# Altium PCB nufsr-p00.pcbdoc (continued)
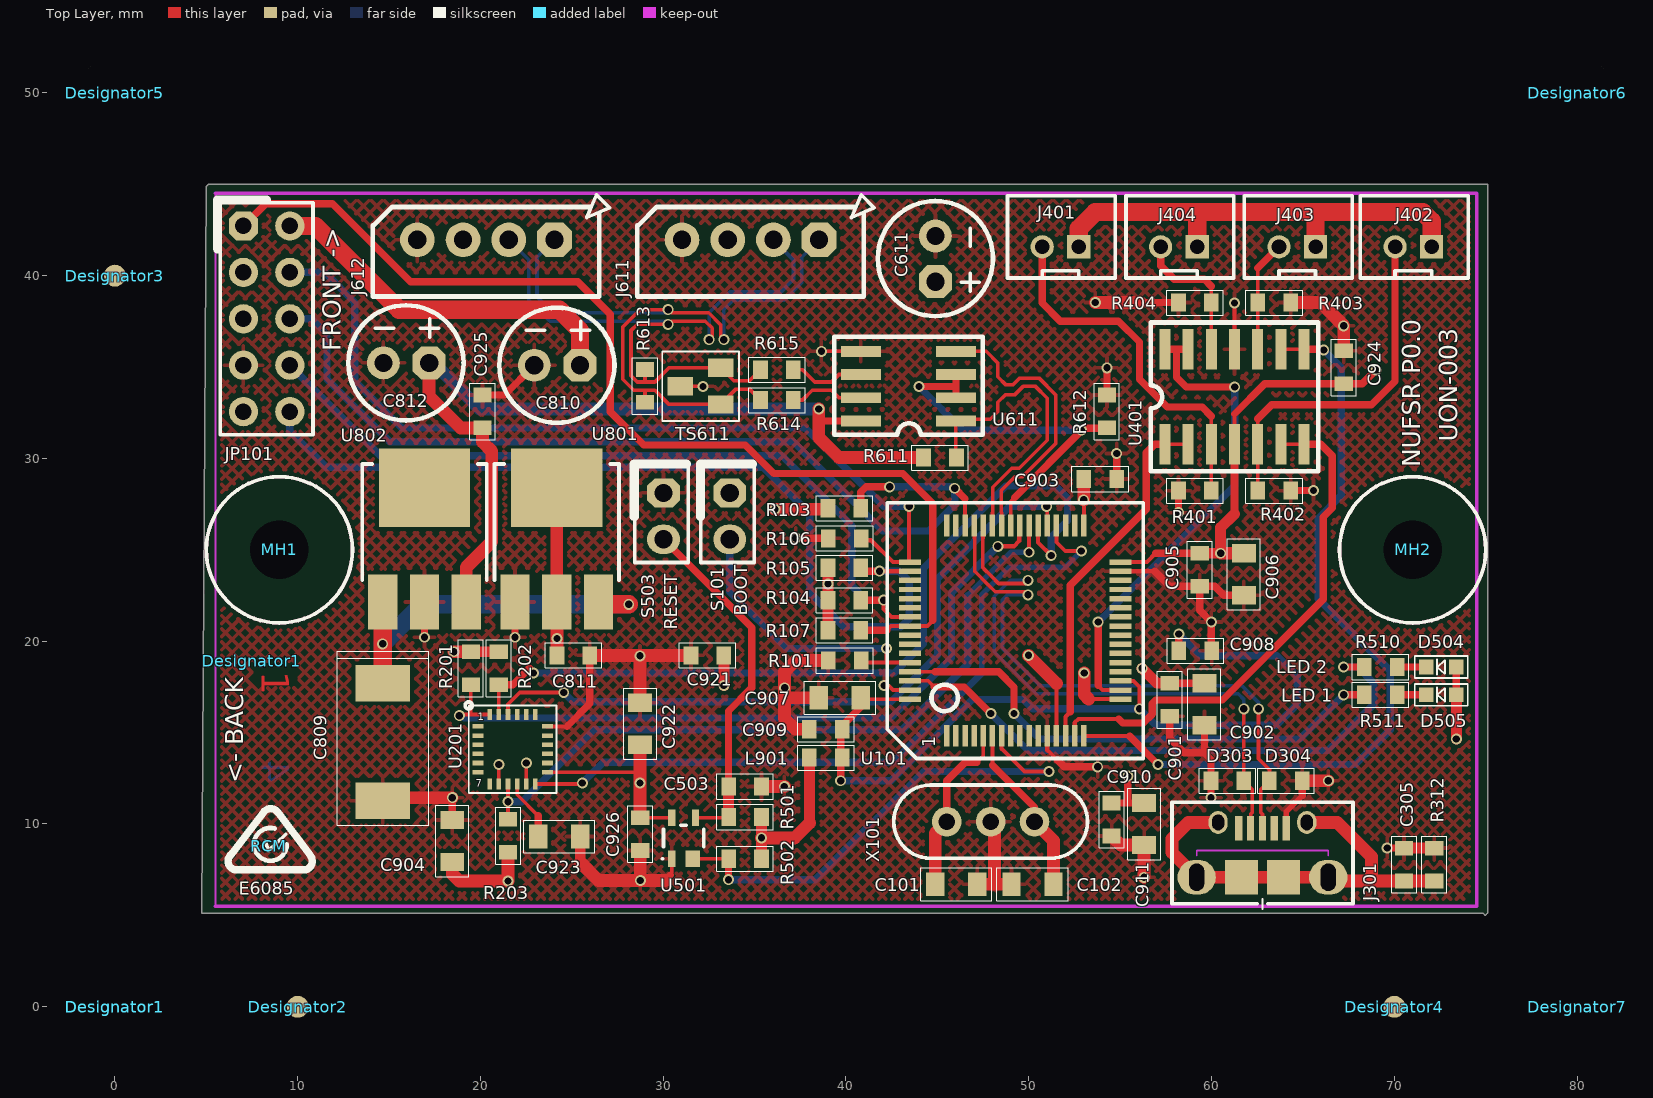
[diagram p0: Top Layer view]
## Footprints (in the part's own frame and the unit in brackets; to place one, negate y for a bottom-side part, rotate by r counter-clockwise, add the part's x,y. Pads: shape width x height; smd on the part's side, far side on the other; paste and mask are expansions set on the pad) (continued)
  silkscreen extent -1.25,-10.75 12.75,3.25, body extent -0.15,-9.62 11.62,2.15, height 1.55
QFN-24 [mm]
  rect 0.6x0.25 smd: 1(0,0) 2(0,-0.5) 3(0,-1) 4(0,-1.5) 5(0,-2) 6(0,-2.5) 13(3.8,-2.5) 14(3.8,-2) 15(3.8,-1.5) 16(3.8,-1) 17(3.8,-0.5) 18(3.8,0)
  rect 0.25x0.6 smd: 7(0.65,-3.15) 8(1.15,-3.15) 9(1.65,-3.15) 10(2.15,-3.15) 11(2.65,-3.15) 12(3.15,-3.15) 19(3.15,0.65) 20(2.65,0.65) 21(2.15,0.65) 22(1.65,0.65) 23(1.15,0.65) 24(0.65,0.65)
  silkscreen extent -0.69,-3.65 4.3,1.34, body extent -0.15,-3.32 4,0.82, height 0.9
RB-D6.3-P2.5 [mm]
  oct 1.8x1.8 hole 1: 1(0,0)
  round 1.8 hole 1: 2(-2.5,0)
  silkscreen extent -4.41,-3.15 1.89,3.15, body extent -3.72,-2.52 1.28,2.47, height 11
SC70-4 [mm] "SC70, 4-Leads"
  rect 0.9x0.4 smd: 1(-1.125,0.65) 3(1.125,-0.65) 4(1.125,0.65)
  rect 0.9x0.8 smd: 2(-1.125,-0.5)
  silkscreen extent -1.17,-1.1 0.7,1.2, body extent -1.15,-1.1 1.15,1.1, height 1.1
SO-8(LB) [mm]
  rect 2.2x0.6 smd: 1(0,0) 2(0,-1.27) 3(0,-2.54) 4(0,-3.81) 5(5.2,-3.81) 6(5.2,-2.54) 7(5.2,-1.27) 8(5.2,0)
  silkscreen extent -1.47,-4.6 6.65,0.76, body extent -0.58,-4.35 5.41,0.55, height 1.5
SO-14(LB) [mm]
  rect 2.2x0.6 smd: 1(-0.01,0.005) 2(-0.01,-1.265) 3(-0.01,-2.535) 4(-0.01,-3.805) 5(-0.01,-5.075) 6(-0.01,-6.345) 7(-0.01,-7.615) 8(5.19,-7.615) 9(5.19,-6.345) 10(5.19,-5.075) 11(5.19,-3.805) 12(5.19,-2.535) 13(5.19,-1.265) 14(5.19,0.005)
  silkscreen extent -1.47,-8.38 6.65,0.79, body extent -0.33,-8.13 5.66,0.56, height 1.7
SOT-23-3(LB) [mm]
  rect 1x1.4 smd: 1(-1,-1.1) 2(1,-1.1) 3(0,1.1)
  silkscreen extent -1.9,-2.1 1.9,2.1, body extent -1.42,-1.45 1.48,1.35, height 1.3
USB-ZX62D [mm]
  rect 0.4x1.35 smd: 1(-1.3,4.125) 2(-0.65,4.125) 3(0,4.125) 4(0.65,4.125) 5(1.3,4.125)
  oval 2.1x1.9 hole 0.825 slot 1.5 at 90 deg: 6(-3.6,1.45) 6(3.6,1.45)
  oval 1.05x1.25 hole 0.65 slot 0.85 at 90 deg: 6(-2.425,4.45) 6(2.425,4.45)
  rect 1.8x1.9 smd: 6(-1.15,1.45) 6(1.15,1.45)
  Keep-Out Layer lines w0.1: -3.6,2.65 -3.6,2.921 3.6,2.921 3.6,2.65
  silkscreen extent -4.95,-0.28 4.95,5.55, body extent -4.38,-1.32 4.27,4.57, height 2.85

## Part data
C101 C102: library part CC-10PF(LB), "NPO Low K, 50VDC Ceramic Disc", EMRP=CC-10PF
C305: library part CC-4700PF(LB), "4700pF NPO, 50VDC Ceramic Disc", EMRP=CC-4700PF
C503 C811 C901 C903 C905 C908 C909 C910 C921 C925 C926: library part CC-100NF(LB), "Monolithic Ceramic", EMRP=CC-100NF
C611: library part CE-100UF50V(LB), "20% 50V Aluminium Electrolytic", EMRP=CE-100UF
C809: library part CT-47UF35V(LB), "20% 35V Resin-dipped Tantalum", EMRP=CT-47UF
C810 C812: library part CE-10UF50V(LB), "20% 50V Aluminium Electrolytic", EMRP=CE-10UF
C902 C904 C906 C911: library part CC-1000NF(LB), "1uF Ceramic", EMRP=CC-1000NF
C907: library part CC-4700NF(LB), "4.7uF Ceramic", EMRP=CC-4700NF
C922: library part CC-2200NF(LB), "2.2uF Ceramic", EMRP=CC-2200NF
C923: library part CP-470NF(LB), "63V 10% Metallised Polyester", EMRP=CP-470NF
C924: library part CC-10NF(LB), "Monolithic Ceramic", EMRP=CC-10NF
D303 D304: "500V Pulse-Guard", EMRP=SD-TRANSORB
D504 D505: library part LED-RED(LB), "LED"
J301: library part ZX62D-B-5P8
J401 J402 J403 J404: library part CON2(LB), EMRP="HM-3412 + HM-3402"
J611 J612: library part HEADER-1X4, "1x4 Header", EMRP=JH-1X4, PART="MOLEX 2203-5045"
JP101: library part HDR2X5(LB), "Connector"
L901: library part FERRITE-BEAD(LB), EMRP=IN-BEAD
MH1 MH2: library part HW-FIXING-ISOLATED(LB), "M3/M4 Fixing Hole", EMRP=NA
R101 R103 R104 R105 R106 R107 R401 R402 R403 R404 R501 R502 R611 R612: library part RM-10K(LB), "0.5W 1% Metal Film Resistor", EMRP=RM-10K
R201 R202 R203: library part RM-2K(LB), "0.5W 1% Metal Film Resistor", EMRP=RM-2K
R312: library part RM-1M(LB), "0.5W 1% Metal Film Resistor", EMRP=RM-1M
R510 R511: library part RM-470R(LB), "0.5W 1% Metal Film Resistor", EMRP=RM-470R
R613: library part RM-120R(LB), "0.5W 1% Metal Film Resistor", EMRP=RM-120R
R614 R615: library part RP-10R(LB), "10R Pulse-proof", EMRP=RC-0R68-1W
RCM: "N-Tick", EMRP=NA
S101 S503: library part SW-PB-SPST(LB), "PCB Push-button Switch", Text Field2=SP-0600
TS611: library part CDSOT23-T12(LB), "600V Bi-directional Transient Suppressor", EMRP=SD-TRANSORB
U101: "32-bit Microcontroller", Manufacturer_Part_Number=stm32f74xzxt, C="Copyright (C) 2016 Accelerated Designs. All rights reserved", Copyright="Copyright (C) 2016 Accelerated Designs. All rights reserved", RefDes=RefDes, Type=Type, Vendor=STMicroelectronics
U201: library part ICM-20869, "Motion Tracking"
U401: library part LM324(LB), "Quad Low-noise JFET Op-amp", EMRP=SI-3-LM324
U501: library part ADM6713, "Microprocessor Supervisory Circuit"
U611: library part THVD1550(LB), "RS485 Transceiver 18kV 50mbps", EMRP=SI-1-MAX485
U801: library part LD1086(LB), "3-terminal Positive Voltage Regulator", Text Field1=347-6870, Text Field2=ZV-1615, Text Field3=512-KA317
U802: library part 7805(LB), "3-terminal 1Amp Fixed Voltage Regulator", EMRP=SI-4-7805
X101: library part XTAL-24MHZ(LB), "24MHz Parallel-cut Crystal - HC49", EMRP=ZT-20MHZ

## Free pads (board coordinates)
  round 0.7 hole 0.8 unplated: BO1(4.5,27.86) BO1(75.5,22.534) BO2(4.5,26.443) BO2(75.5,27.586) BO3(4.5,25.193) BO3(75.5,26.336) BO4(4.5,23.943) BO4(75.5,25.086) BO5(4.5,22.693) BO5(75.5,23.836)

## Via types
v1: diameter 0.6, hole 0.4, Top Layer to Bottom Layer, tented both sides, 45 vias
v2: diameter 0.6, hole 0.4, Top Layer to Bottom Layer, 39 vias

## Nets (pads, with @x,y where several pads share a name; then routed paths per layer and width w, separated by ;. In a path a pad name is that pad's centre, name@x,y a point inside that pad or via, vN(x,y) a via of type N, cw(c..) or ccw(c..) an arc to the next point about the centre after c; other vN are vias at no path point)
0V: C101.2 C102.2 C305.1 C503.2 C611.2 C809.2 C810.2 C811.2 C812.2 C901.2 C902.2 C903.2 C904.2 C905.2 C906.2 C907.2 C908.2 C909.2 C910.2 C911.2 C921.2 C922.2 C923.2 C924.2 C925.2 C926.2 D303.2 D304.2 J301.5 J611.4 J612.4 JP101.7 R101.1 R106.1 R312.1 R401.2 R402.2 R403.2 R404.2 R612.2 S503.1 TS611.3 U101.12 U101.31 U101.63 U201.11 U201.18 U401.11 U501.1 U611.5 U801.1 U802.2 X101.3 | length 109.7
  Top Layer w0.2: U201.11 v1(22.509,13.338) ; U201.18 24.736,15.338 ; 30.4,7.212 30.461,7.273 U501.1 ; TS611.3 32.163,33.956 v1(32.178,33.941) ; v1(38.655,35.861) U611.5 ; v1(42.084,17.573) 42.332,17.573 42.576,17.33 U101.63 ; U401.11 v1(61.256,38.504)
  Top Layer w0.225: U101.12 51.013,14.054 51.575,13.492 ; U101.31 56.884,23.83
  Top Layer w0.3: J301.5 64.085,10.669 64.966,11.55
  Top Layer w0.4: C809.2 C809.2@14.817,11.439 ; v2(16.938,20.218) U802.2 ; C904.2 v2(18.462,11.439) ; C925.2 21.318,33.47 C810.2 ; v2(21.891,20.218) U801.1 ; 24.736,15.338 25.988,16.59 C811.2 ; v1(28.749,6.905) v1@28.774,6.905 ; 30.093,6.905 30.4,7.212 ; C503.2@35.375,11.883 C503.2 ; v2(37.258,25.637) 38.845,25.637 39.036,25.828 R106.1 ; 51.575,13.492 51.939,13.128 v2(53.768,13.128) ; R612.2 v1(54.276,34.956) ; C903.2 54.809,28.879 v2(54.809,30.273) ; 56.105,38.528 R404.2 ; 56.884,23.83 57.702,23.012 C905.2 ; C901.2 57.705,14.689 58.504,13.89 59.61,13.89 ; v2(58.191,27.03) R401.2 ; C902.2 59.61,13.89 ; v2(59.969,11.439) D303.2 59.969,13.531 59.61,13.89 ; C908.2 59.991,19.5 v2(59.991,21.053) 59.356,21.688 C905.2 ; C906.2 60.669,22.512 60.169,23.012 C905.2 ; R402.2 64.336,28.246 v2(65.579,28.246) ; 64.966,11.55 D304.2 ; v2(69.605,8.683) C305.1
  Top Layer w0.6: 25.461,7.907 C923.2 ; C305.1 R312.1
  Top Layer w0.7: C809.2@14.817,11.439 v2(18.462,11.439) ; 25.461,7.907 26.463,6.905 v1(28.749,6.905) C926.2 ; C811.2 v1@28.755,19.224 ; C922.2 v1(28.734,19.203) v1@28.755,19.224 ; v1@28.774,6.905 30.093,6.905 ; C921.2 v1@28.755,19.224 ; C503.2 v1(36.63,12.051) ; C909.2 37.238,15.18 36.643,15.775 36.643,16.913 ; C907.2 36.643,16.913 ; R101.1 37.258,18.945 36.643,18.329 v1(36.643,17.446) 36.643,16.913 ; C101.2 48.117,6.702 ; X101.3 48.117,9.927 48.117,6.702 ; C102.2 48.117,6.702 ; v1(53.641,38.528) 56.105,38.528 ; C910.2 55.03,8.847 C911.2 v1(56.308,7.085) ; R403.2 65.96,38.528 v1(67.23,37.258) C924.2 ; D304.2 v1(66.385,12.366)
3V3: C810.1 C811.1 C901.1 C902.1 C903.1 C904.1 C905.1 C906.1 C910.1 C911.1 C921.1 C922.1 C924.1 C926.1 D504.A D505.A J401.1 J402.1 J403.1 J404.1 JP101.2 L901.2 R103.2 R104.2 R105.2 R107.2 R201.2 R202.2 R203.2 R501.2 R502.2 S101.1 U101.13 U101.17 U101.32 U101.33 U201.8 U201.13 U401.4 U501.4 U801.2 U801.TAB | length 139.4
  Top Layer w0.2: U201.8 v1(21.009,13.255) ; U201.13 23.66,12.839 25.823,12.839 25.824,12.838 28.698,12.838 28.734,12.874 ; C926.1 U501.4 ; U401.4 61.256,32.427
  Top Layer w0.225: U101.13 51.513,17.694 ; U101.33 v2@53.013,27.955 ; 53.285,16.83 U101.17 ; U101.32 56.461,24.33 56.943,24.812
  Top Layer w0.4: C910.1 55.419,11.147 ; v1(55.419,12.62) 55.419,11.147 ; C911.1 55.419,11.147 ; 56.943,24.812 C905.1 ; C901.1 C902.1 ; 61.256,32.427 62.912,34.083 C924.1 68.246,34.083 v1(69.008,34.845) ; D505.A D504.A
  Top Layer w0.45: 61.256,26.966 U401.4
  Top Layer w0.6: R201.2 R202.2 ; v2(33.313,17.573) 33.313,19.216 C921.1 ; R502.2 v1(35.375,9.242) R501.2 ; 37.998,10.058 L901.2 ; v2(39.011,23.136) v2@39.014,23.139 ; R107.2 R104.2 v2@39.014,23.139 ; R105.2 v2@39.014,23.139 ; v2(56.206,18.513) 57.019,17.7 C901.1 ; C905.1 v2(60.499,24.812) 60.499,26.209 61.256,26.966 ; v1(73.389,14.652) D505.A
  Top Layer w0.7: C904.1 18.462,7.264 18.843,6.883 v2(21.509,6.883) R203.2 R203.2 ; v2(18.551,19.424) R201.2 ; U801.TAB@23.644,28.393 24.177,27.86 U801.2 24.188,22.134 v2(24.188,20.151) C811.1 ; 28.724,13.484 28.724,14.338 C922.1 28.734,12.874 v1(28.734,12.239) C926.1@28.734,10.364 ; v1(35.375,9.242) 37.182,9.242 37.998,10.058 ; v2(36.115,27.225) 38.963,27.225 R103.2 ; v2(49.983,19.224) 51.513,17.694 ; v2(53.006,27.733) v2@53.006,27.948 ; C903.1 v2@53.006,27.948 ; v2@53.013,27.955 v2@53.006,27.948 ; v2(53.031,18.259) 53.031,17.084 53.285,16.83 ; v2(60.499,24.812) C906.1
  Top Layer w1: JP101.2 10.969,42.719 15.549,38.139 24.312,38.139 25.447,37.004 C810.1 ; U801.TAB@24.177,27.86 U801.TAB ; J401.1 52.736,42.576 53.641,43.481 59.356,43.481 ; J404.1 59.213,43.338 59.356,43.481 ; J403.1 65.69,43.37 65.579,43.481 ; J402.1 72.04,42.989 71.548,43.481 65.579,43.481 ; 59.356,43.481 65.579,43.481
+5V: C812.1 C925.1 R611.1 U611.8 U802.3 | length 48.1
  Top Layer w0.4: 38.528,32.051 U611.8
  Top Layer w0.7: C812.1 17.192,33.399 18.921,31.67 C925.1 20.113,30.898 20.621,30.39 20.621,25.447 19.224,24.05 U802.3 ; v2(38.514,32.709) 38.514,31.151 39.616,30.049 R611.1
  Bottom Layer w0.7: C812.1@17.192,35.099 17.573,35.099 19.963,32.709 v2(38.514,32.709)
BUF_N: R614.1 U611.7 | length 4.1
  Top Layer w0.2: R614.1 37.623,33.194 38.158,33.729 39.205,33.729 39.613,33.321 U611.7
BUF_P: R615.1 U611.6 | length 4.1
  Top Layer w0.2: R615.1 37.623,34.845 38.285,34.183 39.205,34.183 39.613,34.591 U611.6
DXL_DIR: R612.1 U101.41 U611.2 U611.3 | length 21.5
  Top Layer w0.2: U101.41 49.013,27.649 49.224,27.86
  Top Layer w0.4: v1(43.989,33.941) 46.013,33.941 ; U611.2 46.013,33.941 ; U611.3 46.013,33.941 ; 49.224,27.86 v1@52.879,31.515 ; R612.1@54.276,31.658 52.994,31.658 v1(52.879,31.543) ; v1@52.879,31.515 v1(52.879,31.543) ; v1@52.879,31.515 52.907,31.543 v1(52.879,31.543)
  Bottom Layer w0.4: v1(43.989,33.941) 46.387,31.543 v1(52.879,31.543)
DXL_N: R611.2 U101.43 U611.1 | length 16.8
  Top Layer w0.2: R611.2@46.013,30.049 U611.1 46.113,32.151 47.899,32.151 48.307,32.559 48.307,33.067 48.716,33.476 49.224,33.476 49.689,33.941 50.37,33.941 51.013,33.298 51.013,30.998 49.472,29.457 49.064,29.457 48.036,28.429 48.036,27.053 48.013,27.03 U101.43
DXL_P: U101.42 U611.4 | length 15.8
  Top Layer w0.2: U611.4 47.672,35.861 48.307,35.226 48.307,34.464 48.748,34.023 49.129,34.023 49.5,34.395 50.559,34.395 51.467,33.486 51.467,30.81 49.66,29.003 49.252,29.003 48.49,28.241 48.49,27.053 48.513,27.03 U101.42
DXL_PWR: C611.1 C809.1 J611.3 J612.3 U801.3 U802.1 | length 20.5
  Top Layer w1: C809.1 v1(14.652,19.859) U802.1 ; U801.3 26.59,22.018 v1(28.114,22.018)
  Bottom Layer w1: v1(14.652,19.859) 16.811,22.018 v1(28.114,22.018)
FSR_BUF1: U101.14 U401.1 U401.2 | length 19.8
  Top Layer w0.2: U401.1 U401.2
  Top Layer w0.225: U101.14 52.013,15.869 52.269,16.125
  Top Layer w0.4: 52.269,16.125 52.269,23.059 56.435,27.225 56.435,30.311 56.895,30.771 U401.1
FSR_BUF2: U101.15 U401.6 U401.7 | length 29.5
  Top Layer w0.2: U401.6 U401.7
  Top Layer w0.225: U101.15 52.513,15.541 52.716,15.744 54.916,15.744
  Top Layer w0.4: 54.916,15.744 55.134,15.527 56.268,15.527 56.754,16.013 56.754,16.597 56.943,16.786 60.601,16.786 66.104,22.289 66.104,26.792 66.595,27.284 66.595,30.146 65.97,30.771 U401.7 ; U401.6@63.796,29.968 U401.6
FSR_BUF3: U101.16 U401.8 U401.9 | length 43.9
  Top Layer w0.2: U401.9 U401.8
  Top Layer w0.225: U101.16 53.013,14.804 55.521,14.804
  Top Layer w0.4: 55.521,14.804 v2(57.07,13.255) ; U401.8 66.104,35.971 v2(66.138,35.937)
  Bottom Layer w0.4: v2(57.07,13.255) 67.865,13.255 69.77,15.16 69.77,18.379 65.833,22.316 65.833,26.717 67.103,27.987 67.103,34.972 v2(66.138,35.937)
FSR_BUF4: U101.18 U401.13 U401.14 | length 26.9
  Top Layer w0.225: 53.793,17.573 54.037,17.33 U101.18
  Top Layer w0.4: 53.793,17.573 v2(53.793,21.053) ; U401.14 58.081,35.971 ; U401.13 58.081,35.971 ; v2(61.261,33.905) 58.618,33.905 58.086,34.437 58.086,35.966 58.081,35.971
  Bottom Layer w0.4: v2(53.793,21.053) 61.261,28.52 v2(61.261,33.905)
JTAG_RST: JP101.1 R107.1 U101.56 | length 58.7
  Top Layer w0.225: 42.231,20.596 42.465,20.83 U101.56 44.452,20.83 44.751,21.129
  Top Layer w0.4: JP101.1 8.251,43.938 11.909,43.938 16.176,39.671 25.32,39.671 27.098,37.893 27.098,32.559 28.927,30.73 34.489,30.73 36.039,29.181 43.1,29.181 44.751,27.53 44.751,21.129 ; R107.1 42.231,20.596
JTAG_TCK: JP101.4 R106.2 U101.49 | length 48
  Top Layer w0.225: R106.2@40.836,25.523 41.373,25.523 42.566,24.33 U101.49@43.456,24.33 ; v2(43.456,27.377) U101.49@43.456,24.33 ; U101.49 U101.49@43.456,24.33
  Top Layer w0.4: R106.2@40.836,25.523 R106.2
  Bottom Layer w0.4: JP101.4 11.477,40.179 13.128,38.528 13.128,34.233 15.691,31.67 37.766,31.67 42.059,27.377 v2(43.456,27.377)
JTAG_TDI: JP101.10 R105.1 U101.50 | length 48.9
  Top Layer w0.225: v2@41.601,23.83 v2(41.83,23.83) U101.50
  Top Layer w0.4: R105.1 40.814,23.83 v2@41.601,23.83
  Bottom Layer w0.4: JP101.10 9.572,31.5 11.561,29.511 35.48,29.511 38.02,26.971 38.02,22.653 39.885,20.788 43.013,20.788 43.456,21.231 43.456,23.288 42.914,23.83 v2(41.83,23.83)
JTAG_TDO: JP101.8 R104.1 U101.55 | length 43.6
  Top Layer w0.225: v2(42.061,22.247) 42.061,21.764 42.495,21.33 U101.55
  Top Layer w0.4: R104.1@40.814,22.018 R104.1 40.814,22.424 40.992,22.247 v2(42.061,22.247)
  Bottom Layer w0.4: JP101.8 14.525,30.146 36.496,30.146 40.311,26.331 40.311,23.029 41.093,22.247 v2(42.061,22.247)
JTAG_TMS: JP101.6 R103.1 U101.46 | length 52.6
  Top Layer w0.225: U101.46 46.513,27.8
  Top Layer w0.4: R103.1 40.814,28.165 41.093,28.444 v2(42.389,28.444) ; v2(45.945,28.368) 46.513,27.8
  Bottom Layer w0.4: JP101.6 10.747,37.639 11.604,36.782 11.604,34.337 15.033,30.908 37.131,30.908 42.008,26.031 44.514,26.031 45.945,27.462 v2(45.945,28.368) 45.869,28.444 v2(42.389,28.444)
LED_1: R511.2 U101.61 | length 28.2
  Top Layer w0.2: U101.61 44.873,18.33
  Top Layer w0.4: 44.873,18.33 48.349,18.33 49.196,17.483 v1(49.196,16.049) ; v1(67.23,17.065) R511.2
  Bottom Layer w0.4: v1(49.196,16.049) 50.593,14.652 64.817,14.652 v1(67.23,17.065)
LED_2: R510.2 U101.62 | length 32.3
  Top Layer w0.2: U101.62 44.494,17.83 44.824,17.5
  Top Layer w0.4: 44.824,17.5 46.475,17.5 v1(47.926,16.049) ; v1(67.23,18.589) R510.2
  Bottom Layer w0.4: v1(47.926,16.049) 49.958,14.017 66.341,14.017 68.881,16.557 68.881,17.7 67.992,18.589 v1(67.23,18.589)
MCU_R\E\S\E\T\: R502.1 U101.7 U501.2 | length 26.9
  Top Layer w0.2: U501.2 R502.1
  Top Layer w0.225: U101.7 48.513,14.119 49.758,12.874 v2(51.101,12.874)
  Top Layer w0.4: v2(33.575,6.956) R502.1
  Bottom Layer w0.4: v2(33.575,6.956) 38.325,6.956 44.243,12.874 v2(51.101,12.874)
MPU_INT: U101.36 U201.12 | length 40.2
  Top Layer w0.2: U201.12 25.523,12.188 v1(25.574,12.239) ; U101.36 51.513,25.416 51.99,24.939 v1(52.879,24.939)
  Bottom Layer w0.3: 47.418,18.233 47.418,22.527 48.941,24.05 50.944,24.05 50.959,24.035 51.975,24.035 v1(52.879,24.939)
  Bottom Layer w0.4: v1(25.574,12.239) 26.717,13.382 42.567,13.382 47.418,18.233
MPU_MISO: R203.1 U101.39 U201.9 | length 39.7
  Top Layer w0.2: U201.9 v1(21.509,11.223) R203.1 R203.1 ; v1(50.013,24.867) U101.39
  Bottom Layer w0.3: 46.656,22.493 49.03,24.867 v1(50.013,24.867)
  Bottom Layer w0.4: v1(21.509,11.223) 22.272,11.223 26.209,15.16 43.075,15.16 46.656,18.741 46.656,22.493
MPU_MOSI: R201.1 U101.40 U201.24 | length 41.2
  Top Layer w0.2: v1(18.843,15.927) 18.904,15.988 19.539,15.988 ; R201.1 19.478,16.049 19.539,15.988 ; U201.24 19.539,15.988
  Top Layer w0.225: v2(48.307,25.193) 49.196,25.193 49.475,25.472 49.475,26.292 U101.40
  Top Layer w0.4: R201.1@19.471,17.617 R201.1
  Bottom Layer w0.2: v1(18.843,15.927) 18.843,16.049 v1@19.097,15.795
  Bottom Layer w0.4: v1@19.097,15.795 42.465,15.795 45.767,19.097 45.767,22.653 v2(48.307,25.193)
MPU_NSS: U101.37 U201.22 | length 38.5
  Top Layer w0.2: U201.22 21.509,16.556 22.145,17.192 v1(24.558,17.192) ; v1(50.981,27.377) 51.013,27.345 U101.37
  Bottom Layer w0.4: v1(24.558,17.192) 25.066,16.684 42.465,16.684 45.005,19.224 45.005,23.415 48.967,27.377 v1(50.981,27.377)
MPU_SCK: R202.1 U101.38 U201.23 | length 45.7
  Top Layer w0.2: R202.1 21.009,17.617 U201.23
  Top Layer w0.225: U101.38 50.513,25.4 v2(51.228,24.685)
  Top Layer w0.4: R202.1 21.781,17.624 22.67,18.513 22.907,18.275 v2(22.907,18.259)
  Bottom Layer w0.4: v2(22.907,18.259) 33.009,18.259 33.023,18.273 33.603,18.273 33.617,18.259 41.78,18.259 41.794,18.273 42.374,18.273 42.388,18.259 42.643,18.259 44.243,19.859 44.243,23.999 48.739,28.495 51.482,28.495 52.117,27.86 52.117,26.59 51.228,25.701 v2(51.228,24.685)
NetC101_1: C101.1 U101.5 X101.1 | length 9.6
  Top Layer w0.2: 47.164,13.382 47.513,13.731 U101.5
  Top Layer w0.4: X101.1 45.513,12.366 46.529,13.382 47.164,13.382
  Top Layer w0.7: C101.1 44.878,9.496 X101.1
NetC102_1: C102.1 U101.6 X101.2 | length 9.5
  Top Layer w0.2: 48.013,13.209 U101.6
  Top Layer w0.4: 48.013,13.209 50.313,10.909 X101.2
  Top Layer w0.7: X101.2 51.355,9.089 C102.1
NetC305_2: C305.2 J301.6 R312.2 | length 24.3
  Top Layer w0.7: J301.6@60.36,10.085 58.726,10.085 57.832,9.191 57.832,8.438 59.185,7.085 61.635,7.085 63.935,7.085 66.385,7.085 66.587,6.883 68.754,6.883 ; J301.6@65.21,10.085 66.873,10.085 68.754,8.204 68.754,6.883 ; R312.2 C305.2 68.754,6.883
NetC503_1: C503.1 R501.1 S503.2 U501.3 | length 19.9
  Top Layer w0.2: U501.3 33.539,10.349 R501.1
  Top Layer w0.4: S503.2@30.019,26.082 S503.2 34.845,20.748 34.845,17.449 33.575,16.179 C503.1@33.575,12.163
  Top Layer w0.6: R501.1 C503.1
NetC907_1: C907.1 C908.1 C909.1 L901.1 U101.19 U101.64 | length 48
  Top Layer w0.2: C907.1 40.897,16.83 U101.64
  Top Layer w0.225: U101.19 55.724,17.83 56.054,17.5 v2(56.054,16.303)
  Top Layer w0.4: v1(39.711,12.366) 39.711,15.301 41.068,16.659 C907.1@40.897,16.83 ; C908.1 v2(58.213,20.392)
  Bottom Layer w0.4: v1(39.711,12.366) 42.465,12.366 46.91,16.811 49.704,16.811 50.212,16.303 v2(56.054,16.303) 56.951,15.406 63.539,15.406 64.69,16.557 64.69,18.081 63.568,19.203 59.402,19.203 v2(58.213,20.392)
NetC923_1: C923.1 U201.10 | length 3.3
  Top Layer w0.2: U201.10 22.009,11.596 23.161,10.444
  Top Layer w0.4: C923.1 23.161,10.444
NetD504_K: D504.K R510.1 | length 1.6
  Top Layer w0.4: R510.1 D504.K
NetD505_K: D505.K R511.1 | length 1.6
  Top Layer w0.4: R511.1 D505.K
NetJ401_2: J401.2 R401.1 U401.3 | length 20.1
  Top Layer w0.2: 59.986,32.31 U401.3 59.986,28.246 R401.1
  Top Layer w0.4: J401.2 50.736,38.504 51.728,37.512 54.911,37.512 56.054,36.369 56.054,34.337 57.578,32.813 59.483,32.813 59.986,32.31
NetJ402_2: J402.2 R402.1 U401.5 | length 19.6
  Top Layer w0.2: 62.526,32.173 U401.5 62.526,28.246 R402.1
  Top Layer w0.4: 62.526,32.173 63.293,32.94 68.754,32.94 70.04,34.226 J402.2
NetJ403_2: J403.2 R403.1 U401.10 | length 6.1
  Top Layer w0.2: U401.10 62.526,38.523 R403.1 62.531,40.417
  Top Layer w0.4: 62.531,40.417 J403.2
NetJ404_2: J404.2 R404.1 U401.12 | length 7.7
  Top Layer w0.2: U401.12 59.986,38.523 R404.1 59.991,39.417
  Top Layer w0.4: J404.2 57.213,40.539 57.954,39.798 59.61,39.798 59.991,39.417
NetR101_2: R101.2 S101.2 U101.60 | length 16.2
  Top Layer w0.225: R101.2@40.836,18.83 U101.60 ; 42.211,18.867 v1(42.211,19.605)
  Top Layer w0.4: R101.2@40.836,18.83 R101.2
  Bottom Layer w0.4: S101.2 33.641,22.714 36.75,19.605 v1(42.211,19.605)
RS485_N: J611.1 J612.1 R613.1 R614.2 TS611.1 | length 39.6
  Top Layer w0.2: R613.1 29.003,33.729 ; v1(33.313,36.496) 33.267,36.496 33.14,36.623 33.14,37.319 32.493,37.966 30.446,37.966 v1(30.273,38.139) 28.734,38.139 27.787,37.192 27.787,34.333 28.391,33.729 29.003,33.729 ; R614.2 34.725,33.793 33.98,33.793 TS611.1 30.319,32.956 29.546,33.729 29.003,33.729
  Bottom Layer w0.2: J612.1 23.094,41.001 23.094,38.849 23.977,37.966 30.1,37.966 v1(30.273,38.139) ; v1(33.313,36.496) 33.313,38.139 33.829,38.655 36.63,38.655 37.585,39.61 37.585,41.014 J611.1
RS485_P: J611.2 J612.2 R613.2 R615.2 TS611.2 | length 38.2
  Top Layer w0.2: R613.2 29.003,34.183 ; v1(32.513,36.496) 32.559,36.496 32.686,36.623 32.686,37.131 32.305,37.512 30.446,37.512 v1(30.273,37.339) 28.576,37.339 28.241,37.004 28.241,34.522 28.58,34.183 29.003,34.183 ; R615.2 34.725,34.247 33.853,34.247 TS611.2 30.319,34.956 29.546,34.183 29.003,34.183
  Bottom Layer w0.2: J612.2 22.64,40.867 22.64,38.661 23.789,37.512 30.1,37.512 v1(30.273,37.339) ; v1(32.513,36.496) 32.513,37.981 33.641,39.109 36.442,39.109 37.131,39.798 37.131,40.854 J611.2
USB_N: D303.1 J301.2 U101.44 | length 33.2
  Top Layer w0.2: 47.513,25.63 U101.44 47.49,26.307 47.49,24.02 47.58,23.93 47.58,23.928 47.931,23.577 47.933,23.577 48.349,23.161 49.831,23.161 49.958,23.288 v1(49.958,23.334) ; v1(61.769,16.303) D303.1 62.233,11.902 62.233,10.633 62.135,10.535 J301.2
  Bottom Layer w0.2: v1(49.958,23.334) 48.981,23.334 48.107,22.46 48.107,19.417 50.405,17.119 61.461,17.119 61.769,16.811 v1(61.769,16.303)
USB_P: D304.1 J301.3 U101.45 | length 33.5
  Top Layer w0.2: 47.013,25.63 U101.45 47.036,26.307 47.036,23.832 47.126,23.742 47.126,23.74 47.743,23.123 47.745,23.123 48.161,22.707 49.831,22.707 49.958,22.58 v1(49.958,22.534) ; v1(62.569,16.303) 62.569,13.563 63.166,12.966 D304.1 62.687,11.887 62.687,10.633 62.785,10.535 J301.3
  Bottom Layer w0.2: v1(49.958,22.534) 48.823,22.534 48.561,22.272 48.561,19.605 50.593,17.573 61.649,17.573 62.569,16.653 v1(62.569,16.303)
pads on no net: Designator1.TOOL Designator2.1 Designator3.1 Designator4.1 Designator5.TOOL Designator6.TOOL Designator7.TOOL J301.1 J301.4 JP101.3 JP101.5 JP101.9 MH1.1 MH2.1 U101.1 U101.2 U101.3 U101.4 U101.8 U101.9 U101.10 U101.11 U101.20 U101.21 U101.22 U101.23 U101.24 U101.25 U101.26 U101.27 U101.28 U101.29 U101.30 U101.34 U101.35 U101.47 U101.48 U101.51 U101.52 U101.53 U101.54 U101.57 U101.58 U101.59 U201.1 U201.2 U201.3 U201.4 U201.5 U201.6 U201.7 U201.14 U201.15 U201.16 U201.17 U201.19 U201.20 U201.21 U802.TAB

## Polygon pours and split planes (outlines as drawn)
0V on Bottom Layer "Top Layer-No Net" (hatched 45Degree grid 0.508 track 0.203, remove dead copper, pour order 0): 5,45.005 5.127,45.132 75.358,45.132 75.358,5.127 75.104,4.873 4.746,4.873
0V on Top Layer "Top Layer-No Net" (hatched 45Degree grid 0.508 track 0.203, remove dead copper, pour order 2): 4.873,4.873 75.231,4.873 75.231,45.132 5.127,45.132
DXL_PWR on Internal Plane 2 (split plane): 47.697,38.951 46.741,37.995 14.525,37.995 14.486,37.987 14.453,37.965 13.401,36.913 13.379,36.88 13.371,36.841 13.371,33.865 13.379,33.826 13.401,33.793 15.947,31.247 15.947,16.532 5.329,16.532 5.508,44.495 47.697,44.495
3V3 on Internal Plane 2 (split plane): 74.594,5.637 5.26,5.637 5.328,16.328 16.049,16.328 16.088,16.336 16.121,16.358 16.143,16.391 16.151,16.43 16.151,31.289 16.143,31.328 16.121,31.361 13.575,33.907 13.575,36.799 14.567,37.791 46.783,37.791 46.822,37.799 46.855,37.821 47.871,38.837 47.893,38.87 47.901,38.909 47.901,44.495 74.594,44.495
0V on Internal Plane 1 (split plane): 74.594,5.637 5.26,5.637 5.508,44.495 74.594,44.495

## Keep-outs
Keep-Out Layer:
  lines w0.1: 5.5,5.5 5.5,44.5
  lines w0.2: 5.5,5.5 74.5,5.5 74.5,44.5 5.5,44.5

## Other copper
Top Layer:
  pour cut-out: 19.373,11.737 19.362,11.747 19.362,16.436 24.073,16.436 24.15,16.513 24.188,16.475 24.188,11.61
Internal Plane 2 (plane layer: these items are gaps in the copper):
  lines w0.2: 4.818,16.43 16.049,16.43 16.049,31.289 13.473,33.865 13.473,36.841 14.525,37.893 46.783,37.893 47.799,38.909 47.799,45.005

## Silkscreen, mask and mechanical layers (free items; w line width, h text height)
Top Overlay:
  text "FRONT ->" at 12.366,35.861 h1 r90
  text "UON-003" at 73.453,30.908 h1 r90
  text "NUFSR P0.0" at 71.421,29.511 h1 r90
  text "<- BACK" at 7.032,12.239 h1 r90
PCB Details:
  lines w0.1: -5,-5 -5,55 85,55 85,-5 -5,-5 ; 5,5 5,45 75,45 75,5 5,5
Documentation:
  drawing of 195 lines, arcs and shapes, not listed
  text "DESIGN & FABRICATION INFORMATION" at 190.259,141.985 h2.54
  text "1" at -80.719,141.963 h2.5
  text "2" at -46.325,141.963 h2.5
  text "3" at -11.646,141.963 h2.5
  text "4" at 22.968,141.963 h2.5
  text "5" at 57.729,141.963 h2.5
  text "6" at 92.481,141.963 h2.5
  text "7" at 127.156,141.963 h2.5
  text "8" at 161.843,141.963 h2.5
  text "ACCEPTABILITY TO:" at 190.259,136.27 h1.78
  text "IPC STANDARD CLASS 2" at 220.104,136.27 h1.78
  text "CIRCUIT TECHNOLOGY:" at 190.259,129.92 h1.78
  text "SINGLE SIDED" at 230.264,129.92 h1.78
  text "A" at -95.813,127.843 h2.5
  text "A" at 182.038,125.015 h2.5
  text "DOUBLE SIDED - PTH" at 230.264,124.84 h1.78
  text "4" at 265.711,120.066 h1.78
  text "MULTI LAYER - PTH" at 230.264,119.76 h1.78
  text "MINIMUM CLEARANCE:" at 190.259,114.68 h1.78
  text "0.18mm" at 223.914,114.68 h1.78
  text "MATERIAL:" at 190.386,109.193 h1.78
  text "FR4 GLASS FIBRE EPOXY RESIN" at 206.824,109.123 h1.78
  text "RoHS PROCESS COMPATIBLE" at 206.909,106.243 h1.78
  text "THICKNESS:" at 190.259,101.98 h1.78
  text "0.8mm" at 213.272,101.954 h1.78
  text "1.6mm" at 229.248,101.954 h1.78
  text "3.2mm" at 245.123,101.954 h1.78
  text "____mm" at 260.922,101.954 h1.78
  text "COPPER (Finished):" at 190.259,95.63 h1.78
  text "1oz" at 230.264,95.63 h1.78
  text "____microns" at 262.014,95.63 h1.78
  text "B" at -95.813,94.093 h2.5
  text "B" at 182.038,93.138 h2.5
  text "SOLDER RESIST/MASK:" at 190.259,89.28 h1.78
  text "L. PHOTO IMAGE" at 230.264,89.28 h1.78
  text "EPOXY" at 262.014,89.28 h1.78
  text "THIN DRY FILM" at 230.264,84.2 h1.78
  text "TOP SIDE" at 230.264,79.755 h1.78
  text "COLOUR:" at 251.854,79.755 h1.78
  text "MATT BLACK" at 264.554,79.755 h1.52
  text "BOTTOM SIDE" at 230.264,75.31 h1.78
  text "COLOUR:" at 251.854,75.31 h1.78
  text "MATT BLACK" at 264.554,75.31 h1.52
  text "SCREEN PRINT OVERLAYS:" at 190.259,70.23 h1.78
  text "TOOLING STRIP OUTLINE" at 86.868,64.491 h1
  text "TOP OVERLAY" at 230.264,63.88 h1.78
  text "COLOUR:" at 257.544,63.88 h1.78
  text "WHITE" at 270.244,63.88 h1.78
  text "C" at -95.873,60.343 h2.5
  text "BOTTOM OVERLAY" at 230.264,59.435 h1.78
  text "COLOUR:" at 257.544,59.435 h1.78
  text "WHITE" at 270.244,59.435 h1.78
  text "70" at 38.578,59.086 h1.52
  text "C" at 181.657,54.784 h2.5
  text "TRACK FINISH:" at 190.259,53.72 h1.78
  text "Lead Free HASL" at 230.264,53.72 h1.78
  text "NC ROUTE TOOL DIA. 2.4mm" at 89.709,50.593 h1
  text "ELECTROLESS NI/AU" at 230.264,49.275 h1.52
  text "TIN/LEAD" at 262.014,49.275 h1.78
  text "NON-PLATED." at 89.455,48.561 h1
  text "LAMINATION SEQUENCE:" at 189.989,42.917 h1.78
  text "Layer 1: Top Layer - 35um Cu" at 191.389,35.799 h0.7
  text "FR4 Core" at 234.671,34.009 h0.7
  text "Layer 2: Internal Plane 1 - 35um Cu" at 191.182,32.178 h0.7
  text "FR4 Core" at 234.977,29.439 h0.7
  text "Layer 3: Internal Plane 2 - 35um Cu" at 191.309,27.288 h0.7
  text "D" at -95.938,26.593 h2.5
  text "FR4 Core" at 234.977,25.311 h0.7
  text "40" at -5.688,23.578 h1.52 r90
  text "Layer 4: Bottom Layer - 35um Cu" at 191.516,23.354 h0.7
  text "D" at 182.038,21.637 h2.5
  text "E" at -95.313,-7.157 h2.5
  text "SPECIAL INSTRUCTIONS:" at 189.624,-9.933 h1.78
  text "E" at 182.135,-13.24 h2.5
  text "PCB to be supplied loose (not panellised)" at 190.197,-15.138 h2
  text "PCB includes Tooling Strips" at 190.248,-19.431 h2
  text "ELBY Designs" at 36.09,-21.721 h5
  text "Silk-screen quality is important" at 189.943,-23.216 h2
  text "NUFSR" at 121.078,-26.115 h5.08
  text "Kariong, NSW 2250" at 37.868,-28.299 h3
  text "Australia" at 46.554,-33.456 h3
  text "TOLERANCES:" at 190.183,-34.266 h1.78
  text "PCB Details" at 115.236,-35.386 h5.08
  text "HOLE SIZES ARE `FINISHED' SIZES" at 190.209,-38.254 h1.78
  text "www.elby-designs.com" at 34.083,-39.348 h3
  text "F" at -95.74,-40.907 h2.5
  text "MECHANICAL DIMENSIONS +/- 0.25mm" at 190.183,-41.886 h1.78
  text "HOLE SIZE: 0 TO 0.8 -> +/- 0.05 NPTH ->+/-0.08 PTH" at 190.183,-45.061 h1.78
  text "All dimensions in millimeters" at 30.908,-46.054 h2.5
  text "HOLE SIZE: 0.8 TO 1.6 -> +/- 0.08 NPTH ->+/-0.10 PTH" at 190.183,-48.236 h1.78
  text "(A4) Do not scale" at 87.245,-48.619 h3
  text "Date: 10/04/19" at 150.847,-48.619 h3
  text "Rev: 0.0" at 130.222,-48.848 h3
  text "unless stated otherwise." at 34.921,-50.169 h2.5
  text "1" at -77.982,-50.778 h2.5
  text "2" at -46.206,-50.778 h2.5
  text "3" at -11.129,-50.956 h2.5
  text "4" at 23.212,-50.956 h2.5
  text "HOLE SIZE: 1.6 UP -> +/- 0.10 NPTH ->+/-0.15 PTH" at 190.183,-51.411 h1.78
NC Route:
  lines w2.4: 3.8,21.002 3.8,3.8 76.2,3.8 76.2,20.875 ; 3.8,29.511 3.8,46.2 76.2,46.2 76.2,29.257
Mechanical 15:
  lines w0.127: 93.011,31.035 103.679,31.183 ; 93.392,19.986 102.282,19.948
  text "9mm" at 94.662,37.131 h1.2 r90
  text "6mm" at 94.662,25.32 h1.2 r90
  text "3mm" at 94.662,12.874 h1.2 r90

## Text inside footprints (layer, text, board x,y; h text height)
Designator1: Documentation "DATUM" at -15.649,-7.017 h1; Documentation "X" at -11.149,-9.017 h1; Documentation "Y" at -17.399,-2.767 h1; Documentation "0,0" at -19.149,-9.517 h1
Designator1: Top Layer "1" at 8.032,18.351 h1.5 r270; Bottom Layer "4" at 8.032,12.201 h1.5 r270; Internal Plane 2 "3" at 8.032,15.051 h1.5 r270; Internal Plane 1 "2" at 8.032,16.801 h1.5 r270
RCM: Top Overlay "E6085" at 6.778,6.118 h0.7
U101: Top Overlay "1" at 44.894,14.204 h0.7 r90
U201: Top Overlay "7" at 19.732,12.036 h0.4; Top Overlay "1" at 19.859,15.668 h0.4
U801: 3D Models "REV.1 - 14/05/04 - AWF" at 23.177,25.045 h0.1
U802: 3D Models "REV.1 - 14/05/04 - AWF" at 15.938,25.045 h0.1